# Altium PCB rev3.PcbDoc (part 1 of 7)
Units mil, origin at the board's own origin, x right, y up, seen from the top; angles counter-clockwise.
Board outline 1000 x 800 mil, 2 copper layers (Top Layer, Bottom Layer); 273 components, 16 nets, 2912 pads, 0 vias.
Unrouted connection lines stored in the file: 16.
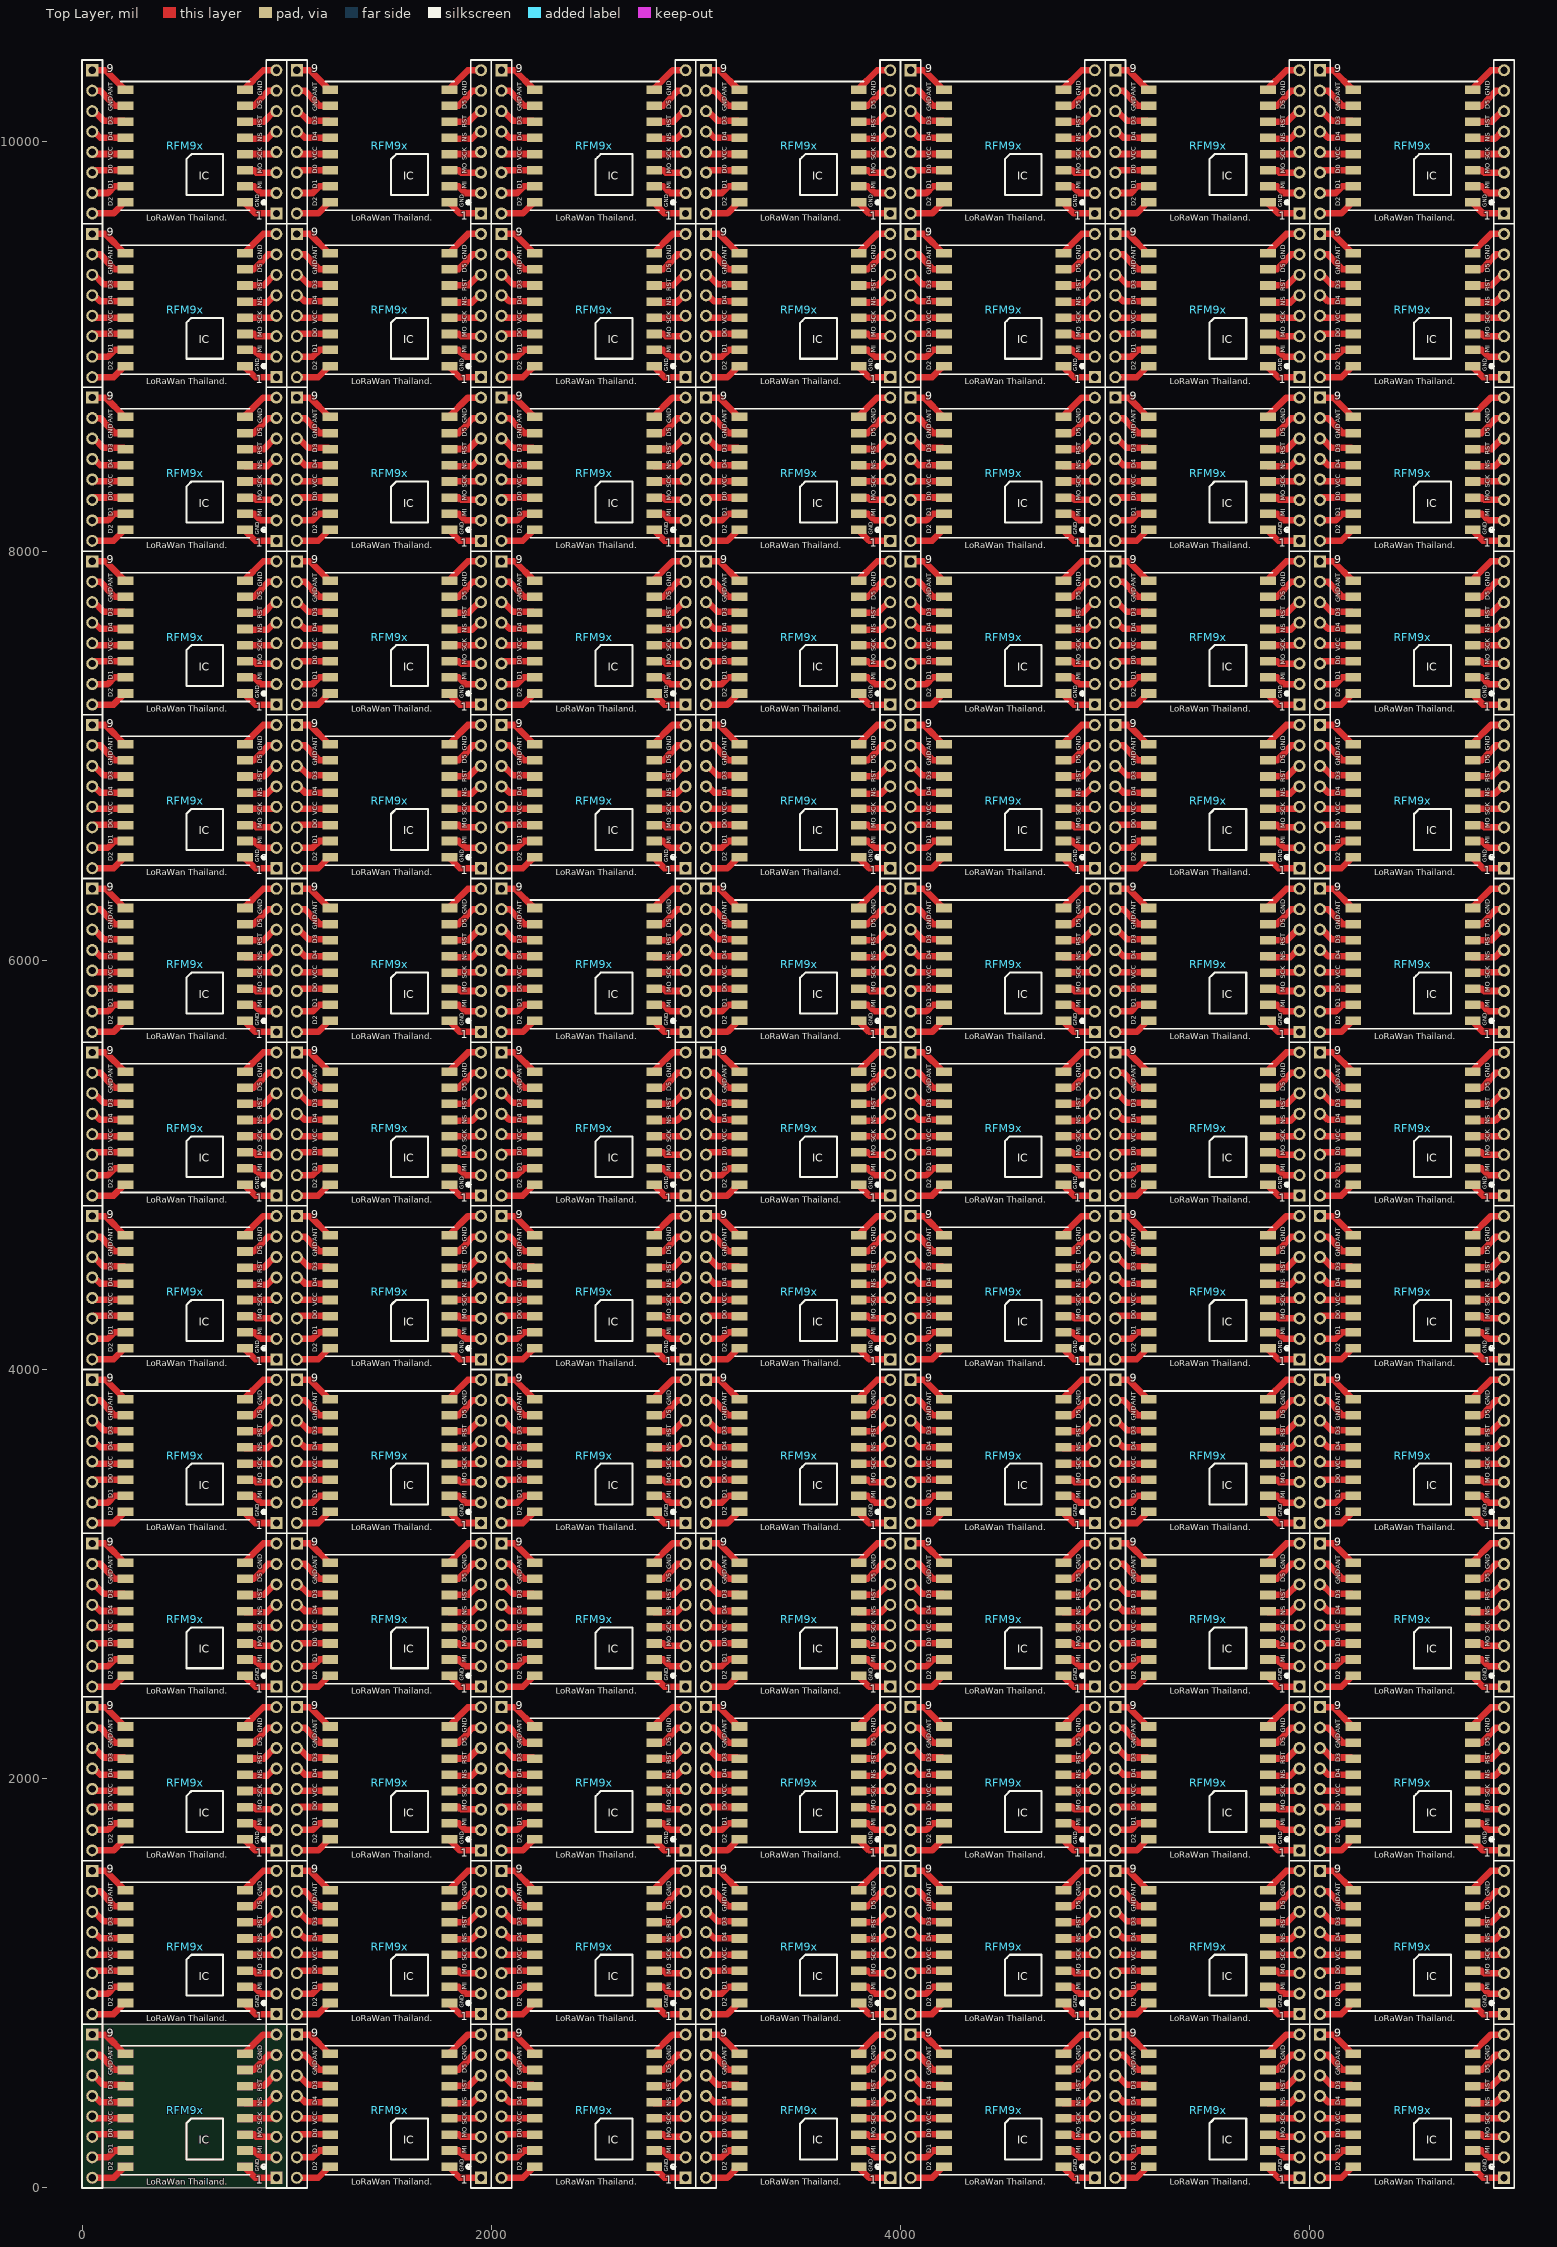
[diagram p0: Top Layer view]
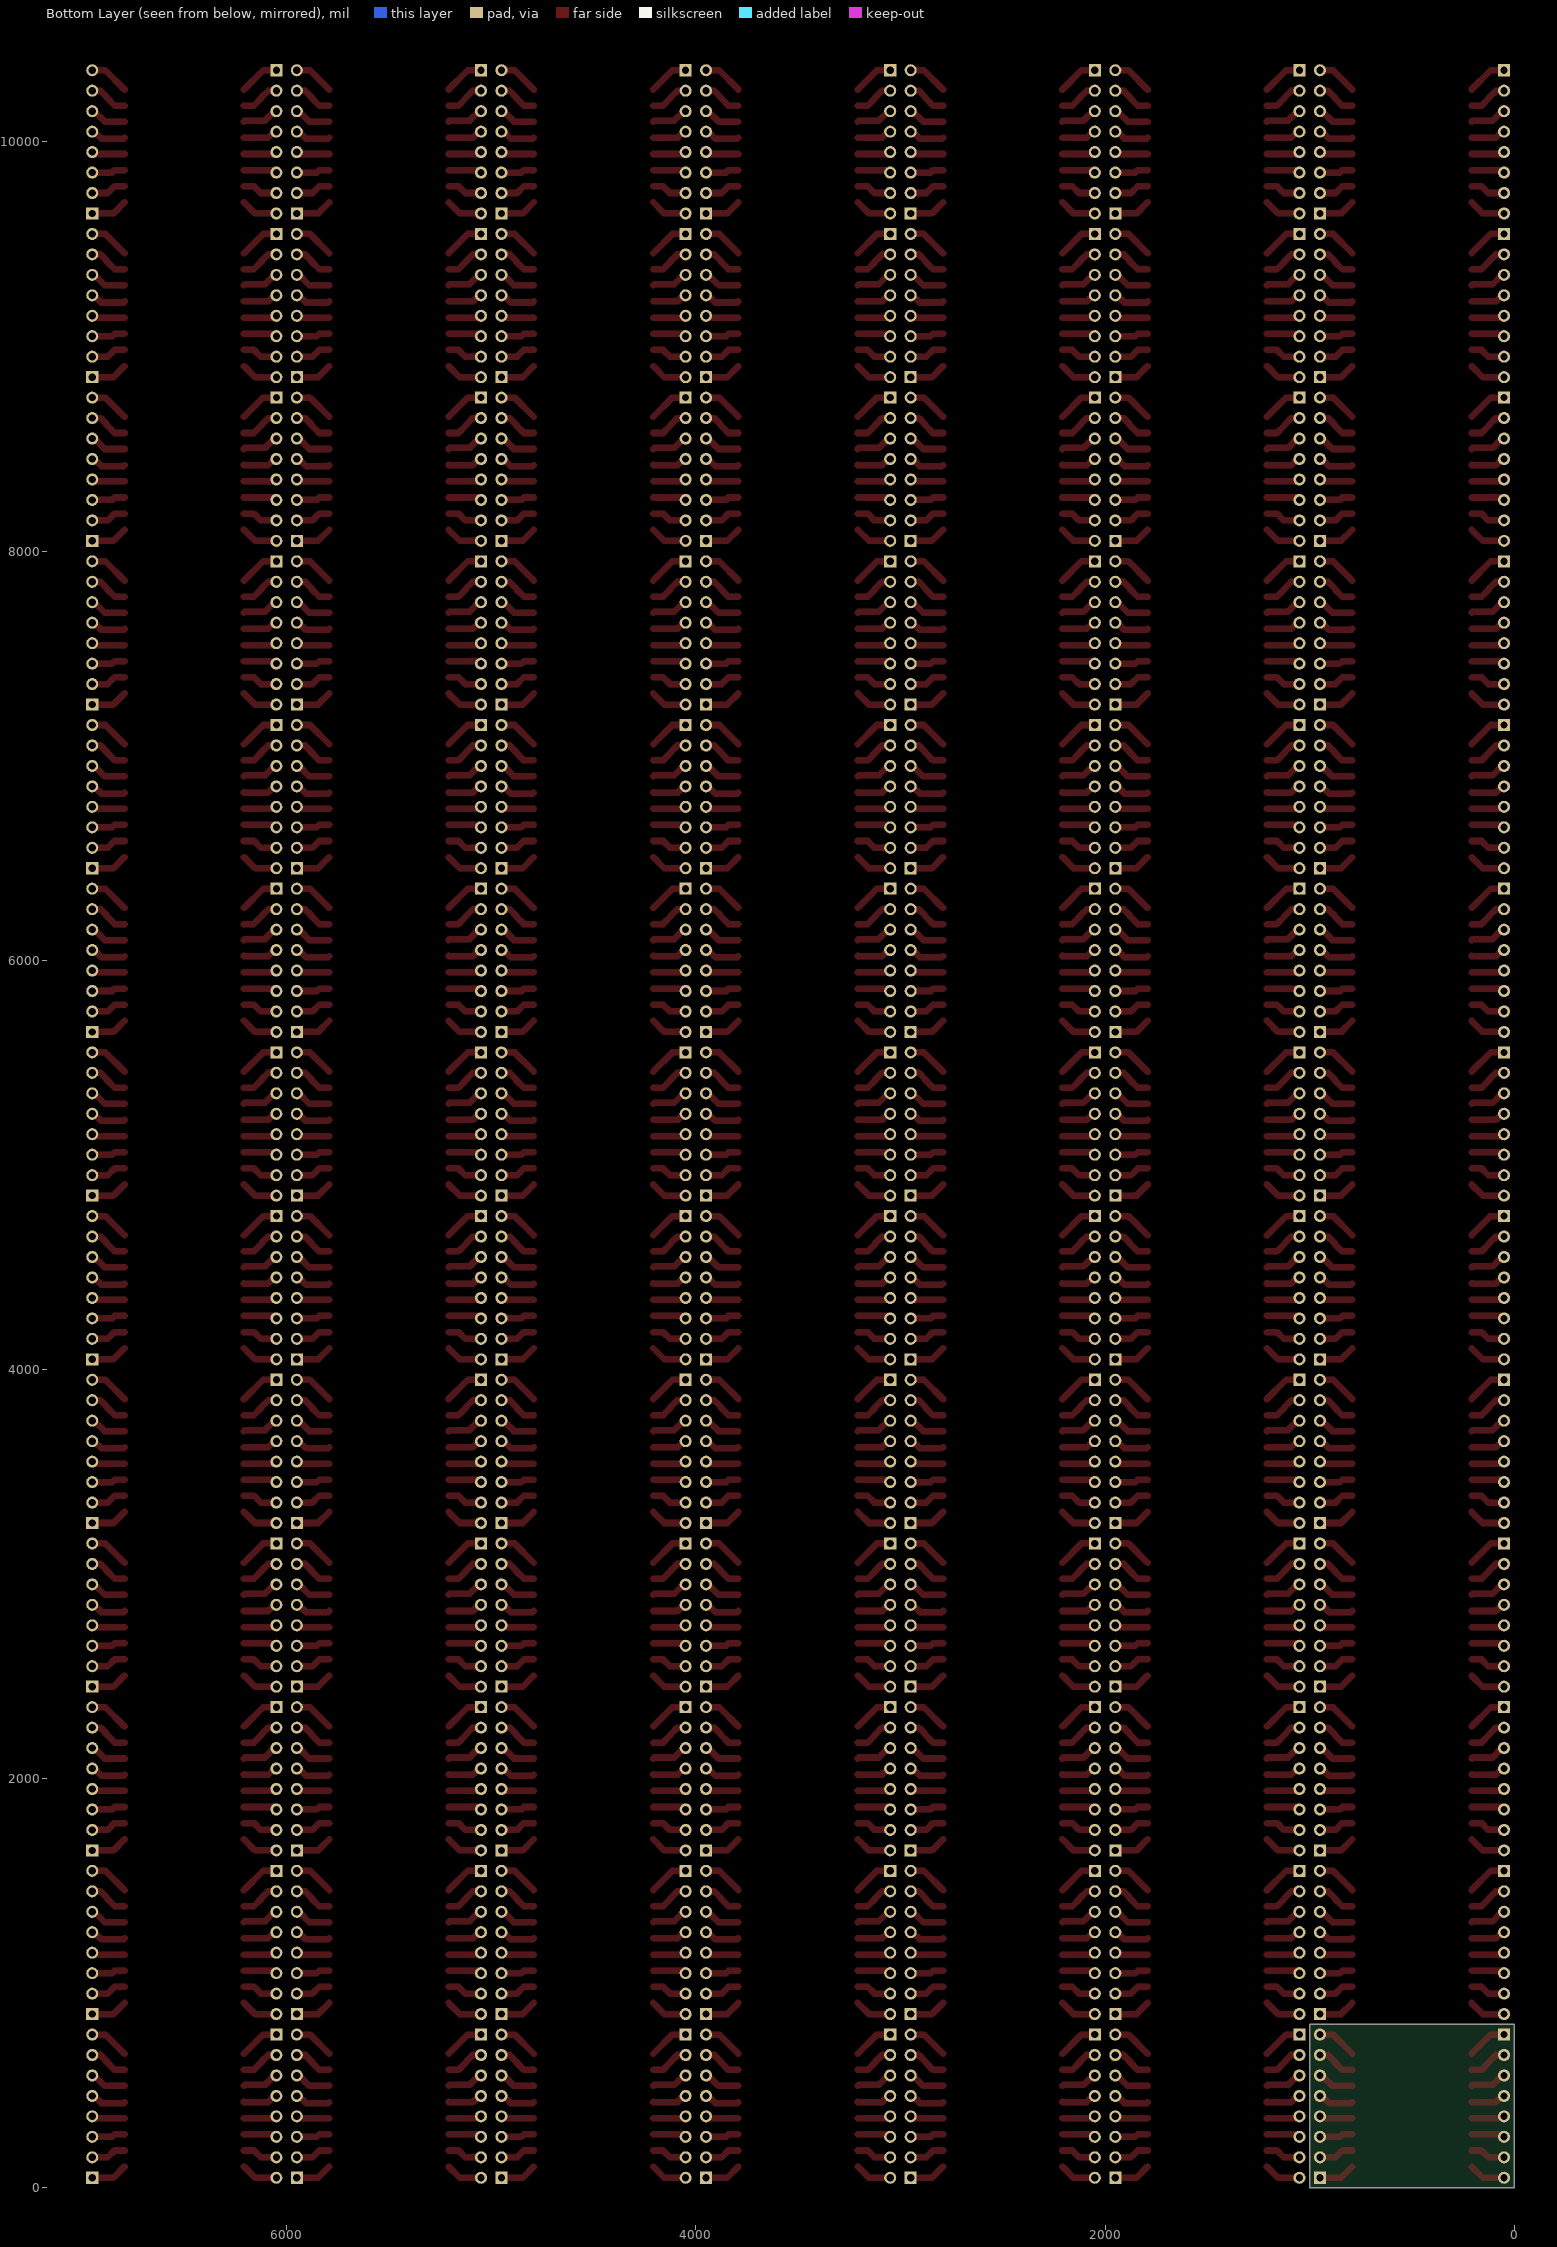
[diagram p1: Bottom Layer view, seen from below]

## Layer stack, top to bottom
Top Solder: solder mask 0.4, Solder Resist, Dk 3.5
Top Layer: signal copper 1.4
Dielectric 1: dielectric 12.6, FR-4, Dk 4.8
Bottom Layer: signal copper 1.4
Bottom Solder: solder mask 0.4, Solder Resist, Dk 3.5

## Board outline
0,0 0,800 1000,800 1000,0

## Design rules (kind name [scope] priority, off if disabled: settings)
Clearance [All] p1: gap=32
PolygonConnect [All] p1: connectstyle=Relief reliefconductorwidth=10 reliefentries=4 polygonreliefangle="90 Angle" airgapwidth=10
RoutingVias [All] p1: holewidth=28 width=50 viastyle="Through Hole" minholewidth=28 minwidth=50 maxholewidth=28 maxwidth=50
SolderMaskExpansion [All] p1: expansion=4
Width [All] p1: maxlimit=32 minlimit=32 preferedwidth=32
30 further rules are at their usual default settings.

## Components (designator, comment, footprint, x,y, rotation, side; value= is the part's Value field where it differs from the comment)
1 "Header 8" HDR1X8 950,50 r90 top (schematic designator P2)
1 "Header 8" HDR1X8 950,850 r90 top (schematic designator P2)
1 "Header 8" HDR1X8 950,1650 r90 top (schematic designator P2)
1 "Header 8" HDR1X8 950,2450 r90 top (schematic designator P2)
1 "Header 8" HDR1X8 950,3250 r90 top (schematic designator P2)
1 "Header 8" HDR1X8 950,4050 r90 top (schematic designator P2)
1 "Header 8" HDR1X8 950,4850 r90 top (schematic designator P2)
1 "Header 8" HDR1X8 950,5650 r90 top (schematic designator P2)
1 "Header 8" HDR1X8 950,6450 r90 top (schematic designator P2)
1 "Header 8" HDR1X8 950,7250 r90 top (schematic designator P2)
1 "Header 8" HDR1X8 950,8050 r90 top (schematic designator P2)
1 "Header 8" HDR1X8 950,8850 r90 top (schematic designator P2)
1 "Header 8" HDR1X8 950,9650 r90 top (schematic designator P2)
1 "Header 8" HDR1X8 1950,50 r90 top (schematic designator P2)
1 "Header 8" HDR1X8 1950,850 r90 top (schematic designator P2)
1 "Header 8" HDR1X8 1950,1650 r90 top (schematic designator P2)
1 "Header 8" HDR1X8 1950,2450 r90 top (schematic designator P2)
1 "Header 8" HDR1X8 1950,3250 r90 top (schematic designator P2)
1 "Header 8" HDR1X8 1950,4050 r90 top (schematic designator P2)
1 "Header 8" HDR1X8 1950,4850 r90 top (schematic designator P2)
1 "Header 8" HDR1X8 1950,5650 r90 top (schematic designator P2)
1 "Header 8" HDR1X8 1950,6450 r90 top (schematic designator P2)
1 "Header 8" HDR1X8 1950,7250 r90 top (schematic designator P2)
1 "Header 8" HDR1X8 1950,8050 r90 top (schematic designator P2)
1 "Header 8" HDR1X8 1950,8850 r90 top (schematic designator P2)
1 "Header 8" HDR1X8 1950,9650 r90 top (schematic designator P2)
1 "Header 8" HDR1X8 2950,50 r90 top (schematic designator P2)
1 "Header 8" HDR1X8 2950,850 r90 top (schematic designator P2)
1 "Header 8" HDR1X8 2950,1650 r90 top (schematic designator P2)
1 "Header 8" HDR1X8 2950,2450 r90 top (schematic designator P2)
1 "Header 8" HDR1X8 2950,3250 r90 top (schematic designator P2)
1 "Header 8" HDR1X8 2950,4050 r90 top (schematic designator P2)
1 "Header 8" HDR1X8 2950,4850 r90 top (schematic designator P2)
1 "Header 8" HDR1X8 2950,5650 r90 top (schematic designator P2)
1 "Header 8" HDR1X8 2950,6450 r90 top (schematic designator P2)
1 "Header 8" HDR1X8 2950,7250 r90 top (schematic designator P2)
1 "Header 8" HDR1X8 2950,8050 r90 top (schematic designator P2)
1 "Header 8" HDR1X8 2950,8850 r90 top (schematic designator P2)
1 "Header 8" HDR1X8 2950,9650 r90 top (schematic designator P2)
1 "Header 8" HDR1X8 3950,50 r90 top (schematic designator P2)
1 "Header 8" HDR1X8 3950,850 r90 top (schematic designator P2)
1 "Header 8" HDR1X8 3950,1650 r90 top (schematic designator P2)
1 "Header 8" HDR1X8 3950,2450 r90 top (schematic designator P2)
1 "Header 8" HDR1X8 3950,3250 r90 top (schematic designator P2)
1 "Header 8" HDR1X8 3950,4050 r90 top (schematic designator P2)
1 "Header 8" HDR1X8 3950,4850 r90 top (schematic designator P2)
1 "Header 8" HDR1X8 3950,5650 r90 top (schematic designator P2)
1 "Header 8" HDR1X8 3950,6450 r90 top (schematic designator P2)
1 "Header 8" HDR1X8 3950,7250 r90 top (schematic designator P2)
1 "Header 8" HDR1X8 3950,8050 r90 top (schematic designator P2)
1 "Header 8" HDR1X8 3950,8850 r90 top (schematic designator P2)
1 "Header 8" HDR1X8 3950,9650 r90 top (schematic designator P2)
1 "Header 8" HDR1X8 4950,50 r90 top (schematic designator P2)
1 "Header 8" HDR1X8 4950,850 r90 top (schematic designator P2)
1 "Header 8" HDR1X8 4950,1650 r90 top (schematic designator P2)
1 "Header 8" HDR1X8 4950,2450 r90 top (schematic designator P2)
1 "Header 8" HDR1X8 4950,3250 r90 top (schematic designator P2)
1 "Header 8" HDR1X8 4950,4050 r90 top (schematic designator P2)
1 "Header 8" HDR1X8 4950,4850 r90 top (schematic designator P2)
1 "Header 8" HDR1X8 4950,5650 r90 top (schematic designator P2)
1 "Header 8" HDR1X8 4950,6450 r90 top (schematic designator P2)
1 "Header 8" HDR1X8 4950,7250 r90 top (schematic designator P2)
1 "Header 8" HDR1X8 4950,8050 r90 top (schematic designator P2)
1 "Header 8" HDR1X8 4950,8850 r90 top (schematic designator P2)
1 "Header 8" HDR1X8 4950,9650 r90 top (schematic designator P2)
1 "Header 8" HDR1X8 5950,50 r90 top (schematic designator P2)
1 "Header 8" HDR1X8 5950,850 r90 top (schematic designator P2)
1 "Header 8" HDR1X8 5950,1650 r90 top (schematic designator P2)
1 "Header 8" HDR1X8 5950,2450 r90 top (schematic designator P2)
1 "Header 8" HDR1X8 5950,3250 r90 top (schematic designator P2)
1 "Header 8" HDR1X8 5950,4050 r90 top (schematic designator P2)
1 "Header 8" HDR1X8 5950,4850 r90 top (schematic designator P2)
1 "Header 8" HDR1X8 5950,5650 r90 top (schematic designator P2)
1 "Header 8" HDR1X8 5950,6450 r90 top (schematic designator P2)
1 "Header 8" HDR1X8 5950,7250 r90 top (schematic designator P2)
1 "Header 8" HDR1X8 5950,8050 r90 top (schematic designator P2)
1 "Header 8" HDR1X8 5950,8850 r90 top (schematic designator P2)
1 "Header 8" HDR1X8 5950,9650 r90 top (schematic designator P2)
1 "Header 8" HDR1X8 6950,50 r90 top (schematic designator P2)
1 "Header 8" HDR1X8 6950,850 r90 top (schematic designator P2)
1 "Header 8" HDR1X8 6950,1650 r90 top (schematic designator P2)
1 "Header 8" HDR1X8 6950,2450 r90 top (schematic designator P2)
1 "Header 8" HDR1X8 6950,3250 r90 top (schematic designator P2)
1 "Header 8" HDR1X8 6950,4050 r90 top (schematic designator P2)
1 "Header 8" HDR1X8 6950,4850 r90 top (schematic designator P2)
1 "Header 8" HDR1X8 6950,5650 r90 top (schematic designator P2)
1 "Header 8" HDR1X8 6950,6450 r90 top (schematic designator P2)
1 "Header 8" HDR1X8 6950,7250 r90 top (schematic designator P2)
1 "Header 8" HDR1X8 6950,8050 r90 top (schematic designator P2)
1 "Header 8" HDR1X8 6950,8850 r90 top (schematic designator P2)
1 "Header 8" HDR1X8 6950,9650 r90 top (schematic designator P2)
9 "Header 8" HDR1X8 50,750 r270 top (schematic designator P1)
9 "Header 8" HDR1X8 50,1550 r270 top (schematic designator P1)
9 "Header 8" HDR1X8 50,2350 r270 top (schematic designator P1)
9 "Header 8" HDR1X8 50,3150 r270 top (schematic designator P1)
9 "Header 8" HDR1X8 50,3950 r270 top (schematic designator P1)
9 "Header 8" HDR1X8 50,4750 r270 top (schematic designator P1)
9 "Header 8" HDR1X8 50,5550 r270 top (schematic designator P1)
9 "Header 8" HDR1X8 50,6350 r270 top (schematic designator P1)
9 "Header 8" HDR1X8 50,7150 r270 top (schematic designator P1)
9 "Header 8" HDR1X8 50,7950 r270 top (schematic designator P1)
9 "Header 8" HDR1X8 50,8750 r270 top (schematic designator P1)
9 "Header 8" HDR1X8 50,9550 r270 top (schematic designator P1)
9 "Header 8" HDR1X8 50,10350 r270 top (schematic designator P1)
9 "Header 8" HDR1X8 1050,750 r270 top (schematic designator P1)
9 "Header 8" HDR1X8 1050,1550 r270 top (schematic designator P1)
9 "Header 8" HDR1X8 1050,2350 r270 top (schematic designator P1)
9 "Header 8" HDR1X8 1050,3150 r270 top (schematic designator P1)
9 "Header 8" HDR1X8 1050,3950 r270 top (schematic designator P1)
9 "Header 8" HDR1X8 1050,4750 r270 top (schematic designator P1)
9 "Header 8" HDR1X8 1050,5550 r270 top (schematic designator P1)
9 "Header 8" HDR1X8 1050,6350 r270 top (schematic designator P1)
9 "Header 8" HDR1X8 1050,7150 r270 top (schematic designator P1)
9 "Header 8" HDR1X8 1050,7950 r270 top (schematic designator P1)
9 "Header 8" HDR1X8 1050,8750 r270 top (schematic designator P1)
9 "Header 8" HDR1X8 1050,9550 r270 top (schematic designator P1)
9 "Header 8" HDR1X8 1050,10350 r270 top (schematic designator P1)
9 "Header 8" HDR1X8 2050,750 r270 top (schematic designator P1)
9 "Header 8" HDR1X8 2050,1550 r270 top (schematic designator P1)
9 "Header 8" HDR1X8 2050,2350 r270 top (schematic designator P1)
9 "Header 8" HDR1X8 2050,3150 r270 top (schematic designator P1)
9 "Header 8" HDR1X8 2050,3950 r270 top (schematic designator P1)
9 "Header 8" HDR1X8 2050,4750 r270 top (schematic designator P1)
9 "Header 8" HDR1X8 2050,5550 r270 top (schematic designator P1)
9 "Header 8" HDR1X8 2050,6350 r270 top (schematic designator P1)
9 "Header 8" HDR1X8 2050,7150 r270 top (schematic designator P1)
9 "Header 8" HDR1X8 2050,7950 r270 top (schematic designator P1)
9 "Header 8" HDR1X8 2050,8750 r270 top (schematic designator P1)
9 "Header 8" HDR1X8 2050,9550 r270 top (schematic designator P1)
9 "Header 8" HDR1X8 2050,10350 r270 top (schematic designator P1)
9 "Header 8" HDR1X8 3050,2350 r270 top (schematic designator P1)
9 "Header 8" HDR1X8 3050,4750 r270 top (schematic designator P1)
9 "Header 8" HDR1X8 3050,6350 r270 top (schematic designator P1)
9 "Header 8" HDR1X8 3050,8750 r270 top (schematic designator P1)
9 "Header 8" HDR1X8 3050,750 r270 top (schematic designator P1)
9 "Header 8" HDR1X8 3050,1550 r270 top (schematic designator P1)
9 "Header 8" HDR1X8 3050,3150 r270 top (schematic designator P1)
9 "Header 8" HDR1X8 3050,3950 r270 top (schematic designator P1)
9 "Header 8" HDR1X8 3050,5550 r270 top (schematic designator P1)
9 "Header 8" HDR1X8 3050,7150 r270 top (schematic designator P1)
9 "Header 8" HDR1X8 3050,7950 r270 top (schematic designator P1)
9 "Header 8" HDR1X8 3050,9550 r270 top (schematic designator P1)
9 "Header 8" HDR1X8 3050,10350 r270 top (schematic designator P1)
9 "Header 8" HDR1X8 4050,750 r270 top (schematic designator P1)
9 "Header 8" HDR1X8 4050,1550 r270 top (schematic designator P1)
9 "Header 8" HDR1X8 4050,2350 r270 top (schematic designator P1)
9 "Header 8" HDR1X8 4050,3150 r270 top (schematic designator P1)
9 "Header 8" HDR1X8 4050,3950 r270 top (schematic designator P1)
9 "Header 8" HDR1X8 4050,4750 r270 top (schematic designator P1)
9 "Header 8" HDR1X8 4050,5550 r270 top (schematic designator P1)
9 "Header 8" HDR1X8 4050,6350 r270 top (schematic designator P1)
9 "Header 8" HDR1X8 4050,7150 r270 top (schematic designator P1)
9 "Header 8" HDR1X8 4050,7950 r270 top (schematic designator P1)
9 "Header 8" HDR1X8 4050,8750 r270 top (schematic designator P1)
9 "Header 8" HDR1X8 4050,9550 r270 top (schematic designator P1)
9 "Header 8" HDR1X8 4050,10350 r270 top (schematic designator P1)
9 "Header 8" HDR1X8 5050,2350 r270 top (schematic designator P1)
9 "Header 8" HDR1X8 5050,4750 r270 top (schematic designator P1)
9 "Header 8" HDR1X8 5050,6350 r270 top (schematic designator P1)
9 "Header 8" HDR1X8 5050,8750 r270 top (schematic designator P1)
9 "Header 8" HDR1X8 5050,750 r270 top (schematic designator P1)
9 "Header 8" HDR1X8 5050,1550 r270 top (schematic designator P1)
9 "Header 8" HDR1X8 5050,3150 r270 top (schematic designator P1)
9 "Header 8" HDR1X8 5050,3950 r270 top (schematic designator P1)
9 "Header 8" HDR1X8 5050,5550 r270 top (schematic designator P1)
9 "Header 8" HDR1X8 5050,7150 r270 top (schematic designator P1)
9 "Header 8" HDR1X8 5050,7950 r270 top (schematic designator P1)
9 "Header 8" HDR1X8 5050,9550 r270 top (schematic designator P1)
9 "Header 8" HDR1X8 5050,10350 r270 top (schematic designator P1)
9 "Header 8" HDR1X8 6050,2350 r270 top (schematic designator P1)
9 "Header 8" HDR1X8 6050,4750 r270 top (schematic designator P1)
9 "Header 8" HDR1X8 6050,6350 r270 top (schematic designator P1)
9 "Header 8" HDR1X8 6050,8750 r270 top (schematic designator P1)
9 "Header 8" HDR1X8 6050,750 r270 top (schematic designator P1)
9 "Header 8" HDR1X8 6050,1550 r270 top (schematic designator P1)
9 "Header 8" HDR1X8 6050,3150 r270 top (schematic designator P1)
9 "Header 8" HDR1X8 6050,3950 r270 top (schematic designator P1)
9 "Header 8" HDR1X8 6050,5550 r270 top (schematic designator P1)
9 "Header 8" HDR1X8 6050,7150 r270 top (schematic designator P1)
9 "Header 8" HDR1X8 6050,7950 r270 top (schematic designator P1)
9 "Header 8" HDR1X8 6050,9550 r270 top (schematic designator P1)
9 "Header 8" HDR1X8 6050,10350 r270 top (schematic designator P1)
RFM9x "LoRa SX1276" XCVR_RFM95W-868S2 505,380 r180 top (schematic designator RFM9x?)
RFM9x "LoRa SX1276" XCVR_RFM95W-868S2 505,1180 r180 top (schematic designator RFM9x?)
RFM9x "LoRa SX1276" XCVR_RFM95W-868S2 505,1980 r180 top (schematic designator RFM9x?)
RFM9x "LoRa SX1276" XCVR_RFM95W-868S2 505,2780 r180 top (schematic designator RFM9x?)
RFM9x "LoRa SX1276" XCVR_RFM95W-868S2 505,3580 r180 top (schematic designator RFM9x?)
RFM9x "LoRa SX1276" XCVR_RFM95W-868S2 505,4380 r180 top (schematic designator RFM9x?)
RFM9x "LoRa SX1276" XCVR_RFM95W-868S2 505,5180 r180 top (schematic designator RFM9x?)
RFM9x "LoRa SX1276" XCVR_RFM95W-868S2 505,5980 r180 top (schematic designator RFM9x?)
RFM9x "LoRa SX1276" XCVR_RFM95W-868S2 505,6780 r180 top (schematic designator RFM9x?)
RFM9x "LoRa SX1276" XCVR_RFM95W-868S2 505,7580 r180 top (schematic designator RFM9x?)
RFM9x "LoRa SX1276" XCVR_RFM95W-868S2 505,8380 r180 top (schematic designator RFM9x?)
RFM9x "LoRa SX1276" XCVR_RFM95W-868S2 505,9180 r180 top (schematic designator RFM9x?)
RFM9x "LoRa SX1276" XCVR_RFM95W-868S2 505,9980 r180 top (schematic designator RFM9x?)
RFM9x "LoRa SX1276" XCVR_RFM95W-868S2 1505,380 r180 top (schematic designator RFM9x?)
RFM9x "LoRa SX1276" XCVR_RFM95W-868S2 1505,1180 r180 top (schematic designator RFM9x?)
RFM9x "LoRa SX1276" XCVR_RFM95W-868S2 1505,1980 r180 top (schematic designator RFM9x?)
RFM9x "LoRa SX1276" XCVR_RFM95W-868S2 1505,2780 r180 top (schematic designator RFM9x?)
RFM9x "LoRa SX1276" XCVR_RFM95W-868S2 1505,3580 r180 top (schematic designator RFM9x?)
RFM9x "LoRa SX1276" XCVR_RFM95W-868S2 1505,4380 r180 top (schematic designator RFM9x?)
RFM9x "LoRa SX1276" XCVR_RFM95W-868S2 1505,5180 r180 top (schematic designator RFM9x?)
RFM9x "LoRa SX1276" XCVR_RFM95W-868S2 1505,5980 r180 top (schematic designator RFM9x?)
RFM9x "LoRa SX1276" XCVR_RFM95W-868S2 1505,6780 r180 top (schematic designator RFM9x?)
RFM9x "LoRa SX1276" XCVR_RFM95W-868S2 1505,7580 r180 top (schematic designator RFM9x?)
RFM9x "LoRa SX1276" XCVR_RFM95W-868S2 1505,8380 r180 top (schematic designator RFM9x?)
RFM9x "LoRa SX1276" XCVR_RFM95W-868S2 1505,9180 r180 top (schematic designator RFM9x?)
RFM9x "LoRa SX1276" XCVR_RFM95W-868S2 1505,9980 r180 top (schematic designator RFM9x?)
RFM9x "LoRa SX1276" XCVR_RFM95W-868S2 2505,380 r180 top (schematic designator RFM9x?)
RFM9x "LoRa SX1276" XCVR_RFM95W-868S2 2505,1180 r180 top (schematic designator RFM9x?)
RFM9x "LoRa SX1276" XCVR_RFM95W-868S2 2505,1980 r180 top (schematic designator RFM9x?)
RFM9x "LoRa SX1276" XCVR_RFM95W-868S2 2505,2780 r180 top (schematic designator RFM9x?)
RFM9x "LoRa SX1276" XCVR_RFM95W-868S2 2505,3580 r180 top (schematic designator RFM9x?)
RFM9x "LoRa SX1276" XCVR_RFM95W-868S2 2505,4380 r180 top (schematic designator RFM9x?)
RFM9x "LoRa SX1276" XCVR_RFM95W-868S2 2505,5180 r180 top (schematic designator RFM9x?)
RFM9x "LoRa SX1276" XCVR_RFM95W-868S2 2505,5980 r180 top (schematic designator RFM9x?)
RFM9x "LoRa SX1276" XCVR_RFM95W-868S2 2505,6780 r180 top (schematic designator RFM9x?)
RFM9x "LoRa SX1276" XCVR_RFM95W-868S2 2505,7580 r180 top (schematic designator RFM9x?)
RFM9x "LoRa SX1276" XCVR_RFM95W-868S2 2505,8380 r180 top (schematic designator RFM9x?)
RFM9x "LoRa SX1276" XCVR_RFM95W-868S2 2505,9180 r180 top (schematic designator RFM9x?)
RFM9x "LoRa SX1276" XCVR_RFM95W-868S2 2505,9980 r180 top (schematic designator RFM9x?)
RFM9x "LoRa SX1276" XCVR_RFM95W-868S2 3505,380 r180 top (schematic designator RFM9x?)
RFM9x "LoRa SX1276" XCVR_RFM95W-868S2 3505,1180 r180 top (schematic designator RFM9x?)
RFM9x "LoRa SX1276" XCVR_RFM95W-868S2 3505,1980 r180 top (schematic designator RFM9x?)
RFM9x "LoRa SX1276" XCVR_RFM95W-868S2 3505,2780 r180 top (schematic designator RFM9x?)
RFM9x "LoRa SX1276" XCVR_RFM95W-868S2 3505,3580 r180 top (schematic designator RFM9x?)
RFM9x "LoRa SX1276" XCVR_RFM95W-868S2 3505,4380 r180 top (schematic designator RFM9x?)
RFM9x "LoRa SX1276" XCVR_RFM95W-868S2 3505,5180 r180 top (schematic designator RFM9x?)
RFM9x "LoRa SX1276" XCVR_RFM95W-868S2 3505,5980 r180 top (schematic designator RFM9x?)
RFM9x "LoRa SX1276" XCVR_RFM95W-868S2 3505,6780 r180 top (schematic designator RFM9x?)
RFM9x "LoRa SX1276" XCVR_RFM95W-868S2 3505,7580 r180 top (schematic designator RFM9x?)
RFM9x "LoRa SX1276" XCVR_RFM95W-868S2 3505,8380 r180 top (schematic designator RFM9x?)
RFM9x "LoRa SX1276" XCVR_RFM95W-868S2 3505,9180 r180 top (schematic designator RFM9x?)
RFM9x "LoRa SX1276" XCVR_RFM95W-868S2 3505,9980 r180 top (schematic designator RFM9x?)
RFM9x "LoRa SX1276" XCVR_RFM95W-868S2 4505,380 r180 top (schematic designator RFM9x?)
RFM9x "LoRa SX1276" XCVR_RFM95W-868S2 4505,1180 r180 top (schematic designator RFM9x?)
RFM9x "LoRa SX1276" XCVR_RFM95W-868S2 4505,1980 r180 top (schematic designator RFM9x?)
RFM9x "LoRa SX1276" XCVR_RFM95W-868S2 4505,2780 r180 top (schematic designator RFM9x?)
RFM9x "LoRa SX1276" XCVR_RFM95W-868S2 4505,3580 r180 top (schematic designator RFM9x?)
RFM9x "LoRa SX1276" XCVR_RFM95W-868S2 4505,4380 r180 top (schematic designator RFM9x?)
RFM9x "LoRa SX1276" XCVR_RFM95W-868S2 4505,5180 r180 top (schematic designator RFM9x?)
RFM9x "LoRa SX1276" XCVR_RFM95W-868S2 4505,5980 r180 top (schematic designator RFM9x?)
RFM9x "LoRa SX1276" XCVR_RFM95W-868S2 4505,6780 r180 top (schematic designator RFM9x?)
RFM9x "LoRa SX1276" XCVR_RFM95W-868S2 4505,7580 r180 top (schematic designator RFM9x?)
RFM9x "LoRa SX1276" XCVR_RFM95W-868S2 4505,8380 r180 top (schematic designator RFM9x?)
RFM9x "LoRa SX1276" XCVR_RFM95W-868S2 4505,9180 r180 top (schematic designator RFM9x?)
RFM9x "LoRa SX1276" XCVR_RFM95W-868S2 4505,9980 r180 top (schematic designator RFM9x?)
RFM9x "LoRa SX1276" XCVR_RFM95W-868S2 5505,380 r180 top (schematic designator RFM9x?)
RFM9x "LoRa SX1276" XCVR_RFM95W-868S2 5505,1180 r180 top (schematic designator RFM9x?)
RFM9x "LoRa SX1276" XCVR_RFM95W-868S2 5505,1980 r180 top (schematic designator RFM9x?)
RFM9x "LoRa SX1276" XCVR_RFM95W-868S2 5505,2780 r180 top (schematic designator RFM9x?)
RFM9x "LoRa SX1276" XCVR_RFM95W-868S2 5505,3580 r180 top (schematic designator RFM9x?)
RFM9x "LoRa SX1276" XCVR_RFM95W-868S2 5505,4380 r180 top (schematic designator RFM9x?)
RFM9x "LoRa SX1276" XCVR_RFM95W-868S2 5505,5180 r180 top (schematic designator RFM9x?)
RFM9x "LoRa SX1276" XCVR_RFM95W-868S2 5505,5980 r180 top (schematic designator RFM9x?)
RFM9x "LoRa SX1276" XCVR_RFM95W-868S2 5505,6780 r180 top (schematic designator RFM9x?)
RFM9x "LoRa SX1276" XCVR_RFM95W-868S2 5505,7580 r180 top (schematic designator RFM9x?)
RFM9x "LoRa SX1276" XCVR_RFM95W-868S2 5505,8380 r180 top (schematic designator RFM9x?)
RFM9x "LoRa SX1276" XCVR_RFM95W-868S2 5505,9180 r180 top (schematic designator RFM9x?)
RFM9x "LoRa SX1276" XCVR_RFM95W-868S2 5505,9980 r180 top (schematic designator RFM9x?)
RFM9x "LoRa SX1276" XCVR_RFM95W-868S2 6505,380 r180 top (schematic designator RFM9x?)
RFM9x "LoRa SX1276" XCVR_RFM95W-868S2 6505,1180 r180 top (schematic designator RFM9x?)
RFM9x "LoRa SX1276" XCVR_RFM95W-868S2 6505,1980 r180 top (schematic designator RFM9x?)
RFM9x "LoRa SX1276" XCVR_RFM95W-868S2 6505,2780 r180 top (schematic designator RFM9x?)
RFM9x "LoRa SX1276" XCVR_RFM95W-868S2 6505,3580 r180 top (schematic designator RFM9x?)
RFM9x "LoRa SX1276" XCVR_RFM95W-868S2 6505,4380 r180 top (schematic designator RFM9x?)
RFM9x "LoRa SX1276" XCVR_RFM95W-868S2 6505,5180 r180 top (schematic designator RFM9x?)
RFM9x "LoRa SX1276" XCVR_RFM95W-868S2 6505,5980 r180 top (schematic designator RFM9x?)
RFM9x "LoRa SX1276" XCVR_RFM95W-868S2 6505,6780 r180 top (schematic designator RFM9x?)
RFM9x "LoRa SX1276" XCVR_RFM95W-868S2 6505,7580 r180 top (schematic designator RFM9x?)
RFM9x "LoRa SX1276" XCVR_RFM95W-868S2 6505,8380 r180 top (schematic designator RFM9x?)
RFM9x "LoRa SX1276" XCVR_RFM95W-868S2 6505,9180 r180 top (schematic designator RFM9x?)
RFM9x "LoRa SX1276" XCVR_RFM95W-868S2 6505,9980 r180 top (schematic designator RFM9x?)

## Footprints (in the part's own frame and the unit in brackets; to place one, negate y for a bottom-side part, rotate by r counter-clockwise, add the part's x,y. Pads: shape width x height; smd on the part's side, far side on the other; paste and mask are expansions set on the pad)
HDR1X8 [mm] "Connector; Header; 8 Position"
  rect 1.5x1.5 hole 0.9: 1(0,0)
  round 1.5 hole 0.9: 2(2.54,0) 3(5.08,0) 4(7.62,0) 5(10.16,0) 6(12.7,0) 7(15.24,0) 8(17.78,0)
  silkscreen extent -1.27,-1.27 19.05,1.27
XCVR_RFM95W-868S2 [mil]
  rect 77x42 smd: 1(-291.34,276) 2(-291.34,197) 3(-291.34,119) 4(-291.34,40) 5(-291.34,-39.37) 6(-291.34,-118.11) 7(-291.34,-196.85) 8(-291.34,-275.59) 9(292,-275.59) 10(292,-196.85) 11(292,-118.11) 12(292,-39.37) 13(292,40) 14(292,119) 15(292,197) 16(292,276)
  silkscreen extent -396,-315 315,315, body extent -315,-313 315,313, height 88

## Part data
1 1 1 1 1 1 1 1 1 1 1 1 1 1 1 1 1 1 1 1 1 1 1 1 1 1 1 1 1 1 1 1 1 1 1 1 1 1 1 1 1 1 1 1 1 1 1 1 1 1 1 1 1 1 1 1 1 1 1 1 1 1 1 1 1 1 1 1 1 1 1 1 1 1 1 1 1 1 1 1 1 1 1 1 1 1 1 1 1 1 1 9 9 9 9 9 9 9 9 9 9 9 9 9 9 9 9 9 9 9 9 9 9 9 9 9 9 9 9 9 9 9 9 9 9 9 9 9 9 9 9 9 9 9 9 9 9 9 9 9 9 9 9 9 9 9 9 9 9 9 9 9 9 9 9 9 9 9 9 9 9 9 9 9 9 9 9 9 9 9 9 9 9 9 9 9 9 9 9 9 9 9: "Header, 8-Pin"
RFM9x RFM9x RFM9x RFM9x RFM9x RFM9x RFM9x RFM9x RFM9x RFM9x RFM9x RFM9x RFM9x RFM9x RFM9x RFM9x RFM9x RFM9x RFM9x RFM9x RFM9x RFM9x RFM9x RFM9x RFM9x RFM9x RFM9x RFM9x RFM9x RFM9x RFM9x RFM9x RFM9x RFM9x RFM9x RFM9x RFM9x RFM9x RFM9x RFM9x RFM9x RFM9x RFM9x RFM9x RFM9x RFM9x RFM9x RFM9x RFM9x RFM9x RFM9x RFM9x RFM9x RFM9x RFM9x RFM9x RFM9x RFM9x RFM9x RFM9x RFM9x RFM9x RFM9x RFM9x RFM9x RFM9x RFM9x RFM9x RFM9x RFM9x RFM9x RFM9x RFM9x RFM9x RFM9x RFM9x RFM9x RFM9x RFM9x RFM9x RFM9x RFM9x RFM9x RFM9x RFM9x RFM9x RFM9x RFM9x RFM9x RFM9x RFM9x: library part RFM95W-868S2

## Nets (pads, with @x,y where several pads share a name; then routed paths per layer and width w, separated by ;. In a path a pad name is that pad's centre, name@x,y a point inside that pad or via, vN(x,y) a via of type N, cw(c..) or ccw(c..) an arc to the next point about the centre after c; other vN are vias at no path point)
NetP1_1: 9.1@50,750 RFM9x.1@796.34,104 | length 197.6
  Top Layer w32: 9.1@50,750 114.66,750 208.66,656
NetP1_2: 9.2@50,650 RFM9x.2@796.34,183 | length 190.5
  Top Layer w32: 9.2@50,650 90,650 122.16,617.84 122.16,615.12 160.28,577 208.66,577
NetP1_3: 9.3@50,550 RFM9x.3@796.34,261 | length 179.8
  Top Layer w32: 9.3@50,550 59.64,550 105.64,504 203.66,504 208.66,499
NetP1_4: 9.4@50,450 RFM9x.4@796.34,340 | length 172.1
  Top Layer w32: 9.4@50,450 59.64,450 89.64,420 208.66,420 208.66,421
NetP1_5: 9.5@50,350 RFM9x.5@796.34,419.37 | length 162.5
  Top Layer w32: 9.5@50,350 59.37,340.63 208.66,340.63
NetP1_6: 9.6@50,250 RFM9x.6@796.34,498.11 | length 163.6
  Top Layer w32: 9.6@50,250 61.89,261.89 208.66,261.89
NetP1_7: 9.7@50,150 RFM9x.7@796.34,576.85 | length 172.4
  Top Layer w32: 9.7@50,150 126.87,150 160.02,183.15 208.66,183.15
NetP1_8: 9.8@50,50 RFM9x.8@796.34,655.59 | length 181.2
  Top Layer w32: 9.8@50,50 154.25,50 208.66,104.41
NetP2_1: 1.1@950,50 RFM9x.9@213,655.59 | length 180.5
  Top Layer w32: 792,104.41 846.41,50 1.1@950,50
NetP2_2: 1.2@950,150 RFM9x.10@213,576.85 | length 171.7
  Top Layer w32: 792,183.15 840.64,183.15 873.79,150 1.2@950,150
NetP2_3: 1.3@950,250 RFM9x.11@213,498.11 | length 165.1
  Top Layer w32: 792,261.89 840.64,261.89 852.53,250 1.3@950,250 1.3@950,252.15
NetP2_4: 1.4@950,350 RFM9x.12@213,419.37 | length 161.9
  Top Layer w32: 792,340.63 940.63,340.63 1.4@950,350
NetP2_5: 1.5@950,450 RFM9x.13@213,340 | length 174.7
  Top Layer w32: 792,420 797.18,414.82 905.18,414.82 940.36,450 1.5@950,450
NetP2_6: 1.6@950,550 RFM9x.14@213,261 | length 179.1
  Top Layer w32: 792,499 889,499 940,550 1.6@950,550
NetP2_7: 1.7@950,650 RFM9x.15@213,183 | length 190.2
  Top Layer w32: 792,577 840.38,577 878.5,615.12 878.5,618.5 910,650 1.7@950,650
NetP2_8: 1.8@950,750 RFM9x.16@213,104 | length 196.9
  Top Layer w32: 792,656 886,750 1.8@950,750